# KiCad board Trackball.kicad_pcb
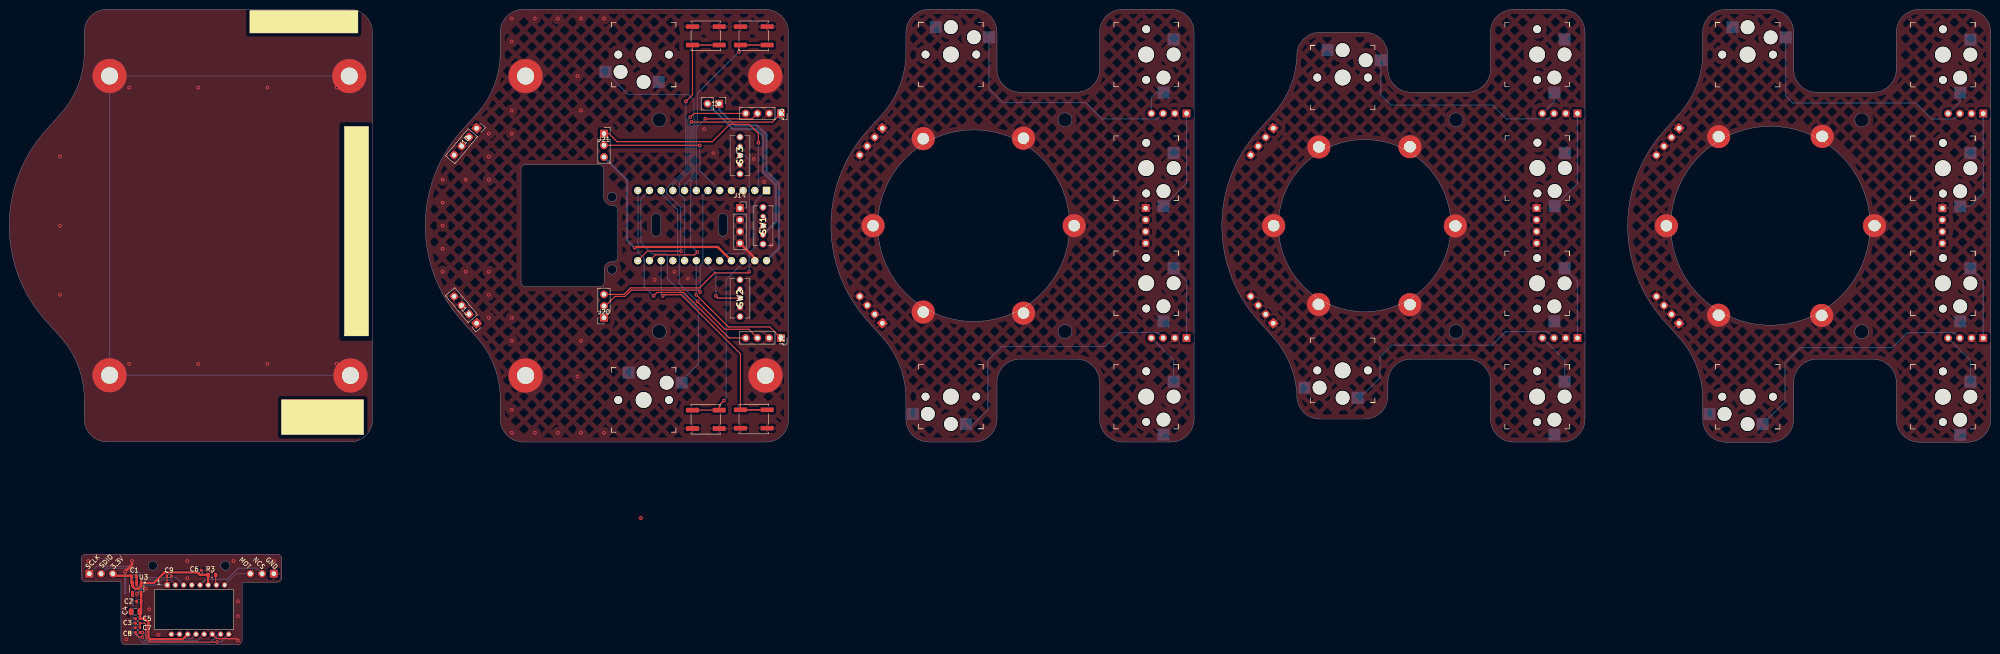
[diagram p0: board, top side]
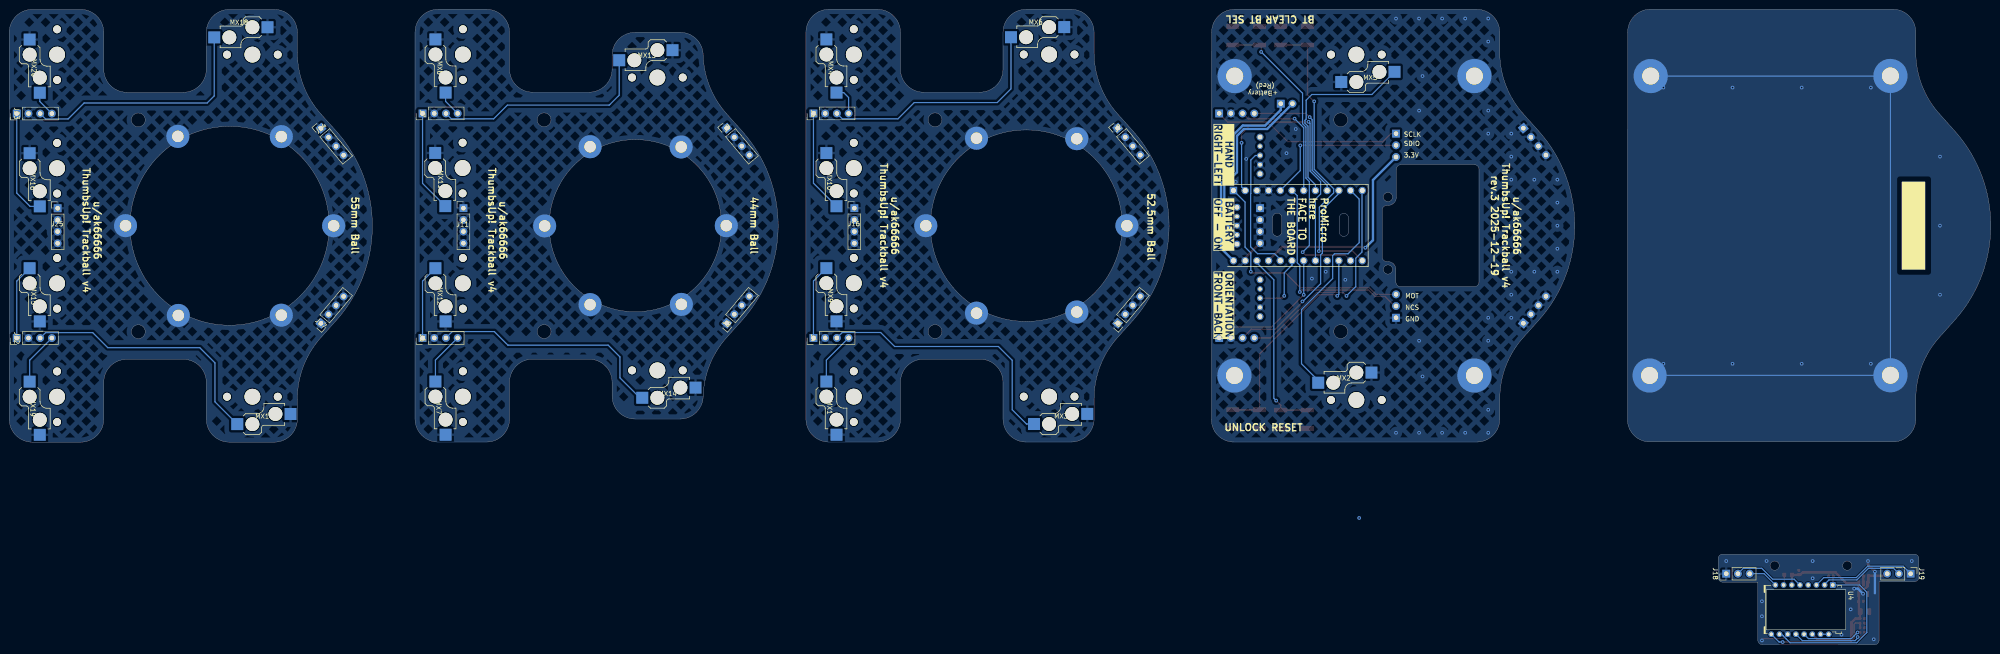
[diagram p1: board, bottom side, seen from below]

Outline 429.84 x 138.07 mm; copper layers: Top, Bottom. Coordinates in mm from the lower left corner of the outline.
Outline path: circle c31.14,17.2 r1 ; circle c46.89,17.2 r1 ; circle c130.77,97.28 r1 ; circle c130.77,81.53 r1 ; circle c141.02,114.05 r1.5 ; circle c141.02,68.05 r1.5 ; circle c209.22,91.05 r20.8 ; circle c229.02,114.05 r1.5 ; circle c229.02,68.05 r1.5 ; circle c294.02,91.05 r18.7 ; circle c313.82,114.05 r1.5 ; circle c313.82,68.05 r1.5 ; circle c382.04,91.02 r21.6 ; circle c401.84,114.02 r1.5 ; circle c401.84,68.02 r1.5 ; 73.77,138.07 21.27,138.07 arc(17.73,136.61) 16.27,133.07 16.27,128.72 arc(14.95,121.58) 11.17,115.38 7.77,111.57 arc(0,91.07) 7.77,70.57 11.17,66.77 arc(14.95,60.57) 16.27,53.43 16.27,49.07 arc(17.73,45.54) 21.27,44.07 73.77,44.07 arc(77.36,45.48) 78.82,49.05 78.77,133.08 arc(77.31,136.61) 73.77,138.07 ; 49.52,0 25.24,0 arc(24.53,0.29) 24.24,1 24.24,13.7 16.59,13.7 arc(15.89,13.99) 15.59,14.7 15.59,18.7 arc(15.89,19.4) 16.59,19.7 58.14,19.7 arc(58.84,19.4) 59.14,18.7 59.13,14.6 arc(58.84,13.9) 58.13,13.6 ; 49.53,0 arc(50.24,0.3) 50.53,1.01 50.54,13.6 58.13,13.6 ; 164.02,138.05 111.52,138.05 arc(107.98,136.58) 106.52,133.05 106.52,128.69 arc(105.2,121.55) 101.42,115.35 98.02,111.55 arc(90.25,91.05) 98.02,70.55 101.42,66.74 arc(105.2,60.54) 106.52,53.41 106.52,49.05 arc(107.98,45.51) 111.52,44.05 164.02,44.05 arc(167.61,45.45) 169.06,49.02 169.02,133.05 arc(167.55,136.58) 164.02,138.05 ; 358.84,70.52 arc(351.07,91.02) 358.84,111.52 ; 358.84,111.52 362.25,115.33 arc(366.02,121.53) 367.34,128.66 367.34,133.02 arc(368.81,136.56) 372.34,138.02 382.09,138.02 arc(385.63,136.56) 387.09,133.02 387.09,125.02 arc(388.56,121.49) 392.09,120.02 404.34,120.02 arc(407.88,121.49) 409.34,125.02 409.34,133.02 arc(410.81,136.56) 414.34,138.02 424.84,138.02 arc(428.38,136.56) 429.84,133.02 429.84,49.02 arc(428.38,45.49) 424.84,44.02 414.34,44.02 arc(410.81,45.49) 409.34,49.02 409.34,57.02 arc(407.88,60.56) 404.34,62.02 392.09,62.02 arc(388.56,60.56) 387.09,57.02 387.09,49.02 arc(385.63,45.49) 382.09,44.02 372.34,44.02 arc(368.81,45.49) 367.34,49.02 367.34,53.38 arc(366.02,60.52) 362.25,66.72 358.84,70.52 ; 111.02,103.3 arc(111.31,104) 112.02,104.3 127.94,104.3 arc(128.64,104) 128.94,103.3 128.94,97.25 arc(129.48,95.97) 130.77,95.45 131.02,95.45 arc(131.72,95.15) 132.02,94.45 132.02,84.25 arc(131.72,83.54) 131.02,83.25 130.77,83.25 arc(129.56,82.75) 129.05,81.55 129.05,78.8 arc(128.75,78.09) 128.05,77.8 112.02,77.8 arc(111.31,78.09) 111.02,78.8 111.02,103.3 ; 139.34,92.72 arc(139.63,93.43) 140.34,93.72 arc(141.05,93.43) 141.34,92.72 141.34,89.72 arc(141.05,89.02) 140.34,88.72 arc(139.63,89.02) 139.34,89.72 139.34,92.72 ; 153.8,92.77 arc(154.09,93.47) 154.8,93.77 arc(155.5,93.47) 155.8,92.77 155.8,89.77 arc(155.5,89.06) 154.8,88.77 arc(154.09,89.06) 153.8,89.77 153.8,92.77 ; 186.02,70.55 arc(178.25,91.05) 186.02,111.55 189.42,115.35 arc(193.2,121.55) 194.52,128.69 194.52,133.05 arc(195.98,136.58) 199.52,138.05 209.27,138.05 arc(212.8,136.58) 214.27,133.05 214.27,125.05 arc(215.73,121.51) 219.27,120.05 231.52,120.05 arc(235.05,121.51) 236.52,125.05 236.52,133.05 arc(237.98,136.58) 241.52,138.05 252.02,138.05 arc(255.55,136.58) 257.02,133.05 257.02,49.05 arc(255.55,45.51) 252.02,44.05 241.52,44.05 arc(237.98,45.51) 236.52,49.05 236.52,57.05 arc(235.05,60.58) 231.52,62.05 219.27,62.05 arc(215.73,60.58) 214.27,57.05 214.27,49.05 arc(212.8,45.51) 209.27,44.05 199.52,44.05 arc(195.98,45.51) 194.52,49.05 194.52,53.41 arc(193.2,60.54) 189.42,66.74 186.02,70.55 ; 270.82,70.55 arc(263.05,91.05) 270.82,111.55 274.22,115.35 arc(277.88,121.25) 279.32,128.05 arc(280.78,131.58) 284.32,133.05 294.07,133.05 arc(297.6,131.58) 299.07,128.05 299.07,125.05 arc(300.53,121.51) 304.07,120.05 316.32,120.05 arc(319.85,121.51) 321.32,125.05 321.32,133.05 arc(322.78,136.58) 326.32,138.05 336.82,138.05 arc(340.35,136.58) 341.82,133.05 341.82,49.05 arc(340.35,45.51) 336.82,44.05 326.32,44.05 arc(322.78,45.51) 321.32,49.05 321.32,57.05 arc(319.85,60.58) 316.32,62.05 304.07,62.05 arc(300.53,60.58) 299.07,57.05 299.07,54.05 arc(297.6,50.51) 294.07,49.05 284.32,49.05 arc(280.78,50.51) 279.32,54.05 arc(277.88,60.84) 274.22,66.74 270.82,70.55

## Placement (name value [footprint] x y rotation side)
BT_RESET1  SW_Push_Dual  [SW_Push_1P1T_NO_CK_KSC6xxJ]  151.12 132.3 180 top
BT_SELECT1  SW_Push_Dual  [SW_Push_1P1T_NO_CK_KSC6xxJ]  161.52 132.3 180 top
C1  0.1u  [C_0402_1005Metric]  27.02 15 0 top
C2  1u  [C_0402_1005Metric]  28.14 9.45 180 top
C3  10uF  [C_0402_1005Metric]  27.87 4.7 180 top
C4  3.3uF/16V  [C_0805_2012Metric]  27.39 7.2 180 top
C5  100nF  [C_0402_1005Metric]  27.87 5.7 180 top
C6  100nF  [C_0402_1005Metric]  41.64 15.68 90 top
C7  10nF  [C_0402_1005Metric]  27.87 3.7 180 top
C8  100nF  [C_0402_1005Metric]  27.87 2.7 0 top
C9  10nF  [C_0402_1005Metric]  34.66 14.95 0 top
H1  MountingHole_Pad  [MountingHole_2.5mm_Pad]  187.39 91.05 0 top
H2  MountingHole_Pad  [MountingHole_3.7mm_Pad]  74.02 58.5 0 top
H3  MountingHole_Pad  [MountingHole_2.5mm_Pad]  231.02 91.05 0 top
H4  MountingHole_Pad  [MountingHole_2.5mm_Pad]  220.02 110.05 0 top
H5  MountingHole_Pad  [MountingHole_2.5mm_Pad]  220.02 72.05 0 top
H6  MountingHole_Pad  [MountingHole_2.5mm_Pad]  198.27 109.95 0 top
H7  MountingHole_Pad  [MountingHole_2.5mm_Pad]  198.27 72.3 0 top
H8  MountingHole_Pad  [MountingHole_3.7mm_Pad]  73.77 123.55 0 top
H9  MountingHole_Pad  [MountingHole_3.7mm_Pad]  21.77 58.55 0 top
H10  MountingHole_Pad  [MountingHole_2.5mm_Pad]  404.62 91.05 0 top
H11  MountingHole_Pad  [MountingHole_3.7mm_Pad]  21.77 123.57 0 top
H12  MountingHole_Pad  [MountingHole_3.7mm_Pad]  164.06 58.5 0 top
H13  MountingHole_Pad  [MountingHole_3.7mm_Pad]  164.02 123.55 0 top
H14  MountingHole_Pad  [MountingHole_3.7mm_Pad]  112.02 58.5 0 top
H15  MountingHole_Pad  [MountingHole_2.5mm_Pad]  370.82 71.6 0 top
H16  MountingHole_Pad  [MountingHole_3.7mm_Pad]  112.02 123.55 0 top
H17  MountingHole_Pad  [MountingHole_2.5mm_Pad]  284.09 108.15 0 top
H18  MountingHole_Pad  [MountingHole_2.5mm_Pad]  303.84 108.2 0 top
H19  MountingHole_Pad  [MountingHole_2.5mm_Pad]  313.69 91 0 top
H20  MountingHole_Pad  [MountingHole_2.5mm_Pad]  303.84 73.9 0 top
H21  MountingHole_Pad  [MountingHole_2.5mm_Pad]  284.04 73.95 0 top
H22  MountingHole_Pad  [MountingHole_2.5mm_Pad]  274.29 91.05 0 top
H23  MountingHole_Pad  [MountingHole_2.5mm_Pad]  393.27 110.45 0 top
H24  MountingHole_Pad  [MountingHole_2.5mm_Pad]  393.17 71.55 0 top
H25  MountingHole_Pad  [MountingHole_2.5mm_Pad]  370.82 110.4 0 top
H26  MountingHole_Pad  [MountingHole_2.5mm_Pad]  359.47 91.03 0 top
J1  Battery  [PinHeader_1x02_P2.54mm_Vertical]  154.02 117.55 270 top
J2  Conn_01x04_Male  [PinHeader_1x04_P2.54mm_Vertical]  189.39 112.22 140 bottom
J3  Conn_01x04_Male  [PinHeader_1x04_P2.54mm_Vertical]  189.39 69.86 40 bottom
J4  Conn_01x04_Male  [PinHeader_1x04_P2.54mm_Vertical]  255.38 66.66 90 bottom
J5  Conn_01x04_Male  [PinHeader_1x04_P2.54mm_Vertical]  255.38 115.43 90 bottom
J6  Conn_01x04_Male  [PinHeader_1x04_P2.54mm_Vertical]  340.18 66.66 90 bottom
J7  Conn_01x04_Male  [PinHeader_1x04_P2.54mm_Vertical]  340.18 115.43 90 bottom
J8  Conn_01x04_Male  [PinHeader_1x04_P2.54mm_Vertical]  274.19 69.86 40 bottom
J9  Conn_01x04_Male  [PinHeader_1x04_P2.54mm_Vertical]  274.19 112.22 140 bottom
J10  Conn_01x04_Female  [PinSocket_1x04_P2.54mm_Vertical]  101.4 112.23 320 top
J11  Conn_01x04_Male  [PinHeader_1x04_P2.54mm_Vertical]  331.32 94.86 180 bottom
J12  Conn_01x04_Female  [PinSocket_1x04_P2.54mm_Vertical]  167.38 66.66 270 top
J13  Conn_01x04_Female  [PinSocket_1x04_P2.54mm_Vertical]  101.39 69.86 220 top
J14  Conn_01x04_Female  [PinSocket_1x04_P2.54mm_Vertical]  158.52 94.85 0 top
J15  Conn_01x04_Female  [PinSocket_1x04_P2.54mm_Vertical]  167.38 115.43 270 top
J16  Conn_01x04_Male  [PinHeader_1x04_P2.54mm_Vertical]  246.52 94.86 180 bottom
J17  Conn_01x04_Male  [PinHeader_1x04_P2.54mm_Vertical]  362.22 69.84 40 bottom
J18  Conn_01x03_Pin  [PinHeader_1x03_P2.54mm_Vertical]  57.39 15.45 90 bottom
J19  Conn_01x03_Pin  [PinHeader_1x03_P2.54mm_Vertical]  17.39 15.45 270 bottom
J20  Conn_01x03_Socket  [PinSocket_1x03_P2.54mm_Vertical]  129.02 71.05 180 top
J21  Conn_01x03_Socket  [PinSocket_1x03_P2.54mm_Vertical]  129.02 111.05 0 top
J22  Conn_01x04_Male  [PinHeader_1x04_P2.54mm_Vertical]  428.21 66.64 90 bottom
J23  Conn_01x04_Male  [PinHeader_1x04_P2.54mm_Vertical]  428.21 115.41 90 bottom
J24  Conn_01x04_Male  [PinHeader_1x04_P2.54mm_Vertical]  362.22 112.2 140 bottom
J25  Conn_01x04_Male  [PinHeader_1x04_P2.54mm_Vertical]  419.34 94.83 180 bottom
MX1  MX-NoLED  [Kailh_socket_PG1350]  246.63 53.91 90 top
MX2  MX-NoLED  [Kailh_socket_PG1350]  137.62 53.18 180 top
MX3  MX-NoLED  [Kailh_socket_PG1350]  204.27 53.91 0 top
MX4  MX-NoLED  [Kailh_socket_PG1350]  246.63 128.23 90 top
MX5  MX-NoLED  [Kailh_socket_PG1350]  137.62 128.21 0 top
MX6  MX-NoLED  [Kailh_socket_PG1350]  204.27 128.23 180 top
MX7  MX-NoLED  [Kailh_socket_PG1350]  331.43 53.91 90 top
MX8  MX-NoLED  [Kailh_socket_PG1350]  331.43 128.23 90 top
MX9  MX-NoLED  [Kailh_socket_PG1350]  246.63 78.55 90 top
MX10  MX-NoLED  [Kailh_socket_PG1350]  246.63 103.55 90 top
MX11  MX-NoLED  [Kailh_socket_PG1350]  331.49 103.57 90 top
MX12  MX-NoLED  [Kailh_socket_PG1350]  331.43 78.52 90 top
MX13  MX-NoLED  [Kailh_socket_PG1350]  289.24 123.23 180 top
MX14  MX-NoLED  [Kailh_socket_PG1350]  289.24 59.61 0 top
MX15  MX-NoLED  [Kailh_socket_PG1350]  419.46 78.52 90 top
MX16  MX-NoLED  [Kailh_socket_PG1350]  419.46 103.52 90 top
MX17  MX-NoLED  [Kailh_socket_PG1350]  377.09 53.89 0 top
MX18  MX-NoLED  [Kailh_socket_PG1350]  377.09 128.21 180 top
MX19  MX-NoLED  [Kailh_socket_PG1350]  419.46 53.89 90 top
MX20  MX-NoLED  [Kailh_socket_PG1350]  419.46 128.21 90 top
R3  10k  [R_0603_1608Metric]  43.96 15.2 0 top
RESET1  SW_Push_Dual  [SW_Push_1P1T_NO_CK_KSC6xxJ]  151.12 48.98 0 top
STUDIO_UNLOCK1  SW_Push_Dual  [SW_Push_1P1T_NO_CK_KSC6xxJ]  161.52 49.05 0 top
SW1  SW_SPDT  [18252321]  163.52 89.05 90 top
SW2  SW_SPDT  [18252321]  158.52 73.3 90 top
SW3  SW_SPDT  [18252321]  158.52 104.3 90 top
U1  -  [ProMicro]  150.31 91.07 180 top
U3  TCR2EF19  [SOT-23-5]  27.66 12.19 270 top
U4  PMW3610  [PMW3610DM-SUDU 16Pin]  40.44 7.65 180 bottom

## Library data of the parts
BT_RESET1 BT_SELECT1 RESET1 STUDIO_UNLOCK1 = -: Description: Push button switch, generic, two pins
C1 C2 = -: Description: Unpolarized capacitor, small symbol; ki_fp_filters: C_*
C3 = -: JLCPCB Part #: C15850; MFR. Part #: CL21A106KAYNNNE; ki_fp_filters: C_*
C4 = -: JLCPCB Part #: C7393948; MFR. Part #: TCC0805X7R335K250FT; ki_fp_filters: C_*
C5 C6 C8 = -: JLCPCB Part #: C14663; MFR. Part #: CC0603KRX7R9BB104; ki_fp_filters: C_*
C7 C9 = -: JLCPCB Part #: C57112; MFR. Part #: 0603B103K500NT; ki_fp_filters: C_*
H1-H26 = -: Description: Mounting Hole with connection; ki_fp_filters: MountingHole*Pad*
J1 = -: Description: Generic connector, single row, 01x02, script generated; ki_fp_filters: Connector*:*_1x??_*
J2-J17 J22-J25 = -: ki_fp_filters: Connector*:*_1x??_*
J18-J21 = -: Description: Generic connector, single row, 01x03, script generated; ki_fp_filters: Connector*:*_1x??_*
R3 = -: JLCPCB Part #: C25804; MFR. Part #: 0603WAF1002T5E; ki_fp_filters: R_*
SW1-SW3 = -: Description: Switch, single pole double throw
U3 = -: Datasheet: http://www.ti.com/lit/ds/symlink/tlv702.pdf; Description: 300mA Low Dropout Voltage Regulator, Fixed Output 1.8V, SOT-23-5; ki_fp_filters: SOT?23*
U4 = -: JLCPCB Part #: C42442560; MFR. Part #: PMW3610DM-SUDU

## Footprints (pads in the part's own frame, mm; a bottom-side part is the same pattern mirrored in y, then rotated)
18252321
  round 1.3 hole 0.8: 1(0,0) 2(2,0)
  round 1.2 hole 0.75: 3(4,0)
  round 1.5 hole 1: MH1(-2,0) MH2(6,0)
C_0402_1005Metric
  rrect 0.56x0.62 smd: 1(-0.48,0) 2(0.48,0)
C_0805_2012Metric
  rrect 1x1.45 smd: 1(-0.95,0) 2(0.95,0)
Kailh_socket_PG1350
  round 1.702 hole 1.702 unplated: (-5.5,0) (5.5,0)
  round 3 hole 3 unplated: (-5,-3.75) (0,-5.95)
  round 3.429 hole 3.429 unplated: (0,0)
  rect 2.6x2.6 smd far side: 1(3.275,-5.95) 2(-8.275,-3.75)
MountingHole_2.5mm_Pad
  round 5 hole 2.5: 1(0,0)
MountingHole_3.7mm_Pad
  round 7.4 hole 3.7: 1(0,0)
PinHeader_1x02_P2.54mm_Vertical
  rect 1.7x1.7 hole 1: 1(0,0)
  round 1.7 hole 1: 2(0,-2.54)
PinHeader_1x03_P2.54mm_Vertical
  rect 1.7x1.7 hole 1: 1(0,0)
  round 1.7 hole 1: 2(0,-2.54) 3(0,-5.08)
PinHeader_1x04_P2.54mm_Vertical
  rect 1.7x1.7 hole 1: 1(0,0)
  round 1.7 hole 1: 2(0,-2.54) 3(0,-5.08) 4(0,-7.62)
PinSocket_1x03_P2.54mm_Vertical
  rect 1.7x1.7 hole 1: 1(0,0)
  round 1.7 hole 1: 2(0,-2.54) 3(0,-5.08)
PinSocket_1x04_P2.54mm_Vertical
  rect 1.7x1.7 hole 1: 1(0,0)
  round 1.7 hole 1: 2(0,-2.54) 3(0,-5.08) 4(0,-7.62)
PMW3610DM-SUDU 16Pin
  rrect 1.25x1.25 hole 0.75: 1(6.168,5.35)
  oval 1.25x1.25 hole 0.75: 2(4.388,5.35) 3(2.608,5.35) 4(0.828,5.35) 5(-0.952,5.35) 6(-2.732,5.35) 7(-4.512,5.35) 8(-6.292,5.35) 9(-7.182,-5.35) 10(-5.402,-5.35) 11(-3.622,-5.35) 12(-1.842,-5.35) 13(-0.062,-5.35) 14(1.718,-5.35) 15(3.498,-5.35) 16(5.278,-5.35)
ProMicro
  rect 1.6x1.6 hole 1.1: 1(-13.97,-7.62)
  round 1.6 hole 1.1: 2(-11.43,-7.62) 3(-8.89,-7.62) 4(-6.35,-7.62) 5(-3.81,-7.62) 6(-1.27,-7.62) 7(1.27,-7.62) 8(3.81,-7.62) 9(6.35,-7.62) 10(8.89,-7.62) 11(11.43,-7.62) 12(13.97,-7.62) 13(13.97,7.62) 14(11.43,7.62) 15(8.89,7.62) 16(6.35,7.62) 17(3.81,7.62) 18(1.27,7.62) 19(-1.27,7.62) 20(-3.81,7.62) 21(-6.35,7.62) 22(-8.89,7.62) 23(-11.43,7.62) 24(-13.97,7.62)
R_0603_1608Metric
  rrect 0.8x0.95 smd: 1(-0.825,0) 2(0.825,0)
SOT-23-5
  rrect 1.325x0.6 smd: 1(-1.137,0.95) 2(-1.137,0) 3(-1.137,-0.95) 4(1.137,-0.95) 5(1.137,0.95)
SW_Push_1P1T_NO_CK_KSC6xxJ
  rect 2.8x1 smd: 1(-2.9,2) 1(2.9,2) 2(-2.9,-2) 2(2.9,-2)

## Nets
+1V8: C2.1 C4.1 C5.1 U3.5 U4.14
+3.3VA: C1.1 C6.1 J19.3 R3.1 U3.1 U3.3 U4.6
+3V3: J21.3 U1.21
GND: BT_RESET1.2 BT_SELECT1.2 H12.1 H13.1 H14.1 H16.1 J10.1 J10.2 J10.3 J10.4 J12.2 J13.1 J13.2 J13.3 J13.4 J14.1 J14.2 J14.3 J14.4 J15.2 J20.1 MX2.1 MX5.1 RESET1.2 STUDIO_UNLOCK1.2 SW1.2 SW2.1 SW3.1 U1.3 U1.4 U1.23
GND_S: C1.2 C2.2 C3.2 C4.2 C5.2 C6.2 C7.2 C9.2 J18.1 U3.2 U4.11
GNDA: H1.1 H3.1 H4.1 H5.1 H6.1 H7.1 J2.1 J2.2 J2.3 J2.4 J3.1 J3.2 J3.3 J3.4 J4.2 J5.2 J16.1 J16.2 J16.3 J16.4 MX1.2 MX3.2 MX4.1 MX6.1 MX9.2 MX10.1
GNDB: H2.1 H8.1 H9.1 H11.1
GNDC: H17.1 H18.1 H19.1 H20.1 H21.1 H22.1 J6.2 J7.2 J8.1 J8.2 J8.3 J8.4 J9.1 J9.2 J9.3 J9.4 J11.1 J11.2 J11.3 J11.4 MX7.2 MX8.1 MX11.1 MX12.2 MX13.1 MX14.2
GNDE: H10.1 H15.1 H23.1 H24.1 H25.1 H26.1 J17.1 J17.2 J17.3 J17.4 J22.2 J23.2 J24.1 J24.2 J24.3 J24.4 J25.1 J25.2 J25.3 J25.4 MX15.2 MX16.1 MX17.2 MX18.1 MX19.2 MX20.1
BTReset: BT_RESET1.1 U1.13
BTSelect: BT_SELECT1.1 U1.14
Button1: J12.4 U1.12
Button2: MX2.2 U1.11
Button3: J12.3 U1.10
Button4: J15.4 U1.9
Button5: MX5.2 U1.8
Button6: J15.3 U1.7
Button7: J12.1 U1.18
Button8: J15.1 U1.17
Handiness: SW3.2 U1.20
MOTION: J20.3 U1.1
MOTION_S: J18.3 U4.8
NCS: J20.2 U1.6
NCS_S: J18.2 U4.5
Orientation: SW2.2 U1.19
RST: RESET1.1 U1.22
SCLK: J21.1 U1.2
SCLK_S: J19.1 U4.3
SDIO: J21.2 U1.5
SDIO_S: J19.2 U4.2
Unlock: STUDIO_UNLOCK1.1 U1.15
Net-(J1-Pin_1): J1.1 U1.24
Net-(J1-Pin_2): J1.2 SW1.1
Net-(J4-Pin_1): J4.1 MX9.1
Net-(J4-Pin_3): J4.3 MX3.1
Net-(J4-Pin_4): J4.4 MX1.1
Net-(J5-Pin_1): J5.1 MX10.2
Net-(J5-Pin_3): J5.3 MX6.2
Net-(J5-Pin_4): J5.4 MX4.2
Net-(J6-Pin_1): J6.1 MX12.1
Net-(J6-Pin_3): J6.3 MX14.1
Net-(J6-Pin_4): J6.4 MX7.1
Net-(J7-Pin_1): J7.1 MX11.2
Net-(J7-Pin_3): J7.3 MX13.2
Net-(J7-Pin_4): J7.4 MX8.2
Net-(J22-Pin_1): J22.1 MX15.1
Net-(J22-Pin_3): J22.3 MX17.1
Net-(J22-Pin_4): J22.4 MX19.1
Net-(J23-Pin_1): J23.1 MX16.2
Net-(J23-Pin_3): J23.3 MX18.2
Net-(J23-Pin_4): J23.4 MX20.2
Net-(U4-+VCSEL): C9.1 U4.1 U4.10
Net-(U4--VCSEL): U4.15 U4.16
Net-(U4-CN): C8.2 U4.13
Net-(U4-CP): C8.1 U4.12
Net-(U4-NRESET): R3.2 U4.7
Net-(U4-VCP): C3.1 C7.1 U4.9

Pads without a net: SW1 3 MH1 MH2; SW2 3 MH1 MH2; SW3 3 MH1 MH2; U1 16; U3 4; U4 4

## Via types
v1: diameter 0.8, hole 0.4, Top to Bottom, 89 vias

## Routing (per net, layer and track width the routed paths; a pad name or vN(x,y) marks a point on that pad's centre or on a via; arc(x,y) is an arc through that point)
+1V8: length 20.9
  Top w0.25: C2.1 28.61,9.46 28.84,9.23 ; 28.61,7.47 C4.1 28.62,7.48
  Top w0.5: 28.37,5.7 29.39,5.7 30.21,4.87 30.21,1.62 30.61,1.22 37.64,1.22 U4.14 ; C4.1 28.64,6.9 ; U3.5 28.61,7.47 ; 28.39,6.9 28.39,5.7
+3.3VA: length 28
  Top w0.25: J19.3 22.47,15.78 22.64,15.95
  Top w0.5: U4.6 43.14,13.03 R3.1 C6.1 41.33,15.2 40.8,15.72 33.66,15.72 31.39,13.45 28.73,13.45 28.61,13.32 28.61,12.73 28.09,12.21 27.26,12.21 26.71,12.76 26.71,13.32 26.54,13.49 C1.1 22.92,15 J19.3
+3V3: length 44.8
  Top w0.5: v1(135.67,86.25) 135.85,86.43 153.68,86.43 U1.21
  Bottom w0.5: v1(135.67,86.25) 134.02,87.9 134.02,100.97 J21.3
GND: length 5.1
  Top w0.5: U1.23 161.74,84.01 J14.4
  vias: v1(94.02,101.05) v1(94.02,96.05) v1(94.02,91.05) v1(94.02,86.05) v1(94.02,81.05) v1(99.02,101.05) v1(99.02,81.05) v1(104.02,111.05) v1(104.02,106.05) v1(104.02,101.05) v1(104.02,81.05) v1(104.02,76.05) v1(104.02,71.05) v1(109.02,136.05) v1(109.02,131.05) v1(109.02,116.05) v1(109.02,111.05) v1(109.02,71.05) v1(109.02,66.05) v1(109.02,51.05) v1(109.02,46.05) v1(114.02,136.05) v1(114.02,46.05) v1(119.02,136.05) v1(119.02,46.05) v1(123.27,123.55) v1(123.27,58.3) v1(124.02,136.05) v1(124.02,116.05) v1(124.02,66.05) v1(124.02,46.05) v1(129.02,136.05) v1(129.02,46.05) v1(140.02,79.3) v1(144.27,81.05) v1(147.27,79.55) v1(150.77,112.05) v1(152.77,106.8) v1(161.52,105.55) v1(163.77,100.55) v1(165.27,86.8)
GND_S: length 18.2
  Top w0.25: v1(49.64,0.95) 49.24,1.35 45.01,1.35 U4.11 44.21,2.3
  Top w0.5: 27.66,13.32 27.66,14.84 C1.2 ; 32.2,2.2 v1(32.39,2.2) ; v1(25.14,15.9) 26.64,17.4 v1(26.64,18.2)
  Bottom w0.5: v1(29.64,12.2) 28.83,12.2 v1(27.71,11.08) ; v1(25.14,15.9) 25.14,11.2
  vias: v1(17.14,18.2) v1(25.39,1.2) v1(30.39,7.7) v1(38.64,18.2) v1(38.64,14.45) v1(48.64,18.2) v1(49.64,9.45) v1(49.64,6.2) v1(57.39,18.2)
GNDB: length 169.3
  Bottom w0.25: H8.1 21.8,123.55 H11.1 21.77,123.57 H9.1 73.97,58.55 H2.1
  vias: v1(11.02,106.05) v1(11.02,91.05) v1(11.02,76.05) v1(26.02,121.05) v1(26.02,61.05) v1(41.02,121.05) v1(41.02,61.05) v1(56.02,121.05) v1(56.02,61.05) v1(71.02,121.05) v1(71.02,61.05)
(no net):
  vias: v1(137.02,27.55)
BTReset: length 64.5
  Top w0.25: v1(145.76,85.53) 138.42,85.53 U1.13 ; BT_RESET1.1 BT_RESET1.1 148.22,119.5 v1(146.77,118.05)
  Bottom w0.25: v1(145.76,85.53) 145.65,85.64 145.65,95.06 142.54,98.16 142.54,99.07 146.77,103.3 v1(146.77,118.05)
BTSelect: length 67
  Top w0.25: v1(158.27,128.8) 158.27,129.95 BT_SELECT1.1 BT_SELECT1.1 ; v1(149.27,85.3) 148.67,84.7 140.13,84.7 U1.14
  Bottom w0.25: v1(158.27,128.8) 149.29,119.82 149.29,113.21 148.57,112.48 148.57,101.39 147.82,100.64 147.82,86.75 v1(149.27,85.3)
Button1: length 48.7
  Top w0.25: J12.4 156.15,66.66 146.27,76.55 140.52,76.55 v1(139.77,75.8)
  Bottom w0.25: U1.12 136.4,98.63 136.4,85.33 137.75,83.97 137.75,77.81 v1(139.77,75.8)
Button2: length 50.9
  Bottom w0.25: MX2.2 145.89,57.42 149.52,61.05 149.52,72.81 142.77,79.56 142.77,84.55 142.37,84.95 139.42,84.95 137.02,87.35 137.02,96.83 U1.11
Button3: length 43.8
  Top w0.25: v1(149.31,74.6) 149.31,74.5 155.27,68.55 160.42,68.55 J12.3
  Bottom w0.25: v1(149.31,74.6) 149.22,74.6 145.37,78.44 145.37,84.69 144.99,85.08 144.99,94.48 141.42,98.05 U1.10
Button4: length 29.9
  Top w0.25: v1(147.75,114.63) 148.55,115.43 J15.4
  Bottom w0.25: v1(147.75,114.63) 147.22,114.1 147.22,103.11 143.96,99.85 U1.9
Button5: length 42.4
  Bottom w0.25: U1.8 146.5,99.96 148.12,101.58 148.12,112.67 148.77,113.32 148.77,113.93 148.52,114.18 148.52,118.3 147.27,119.55 134.26,119.55 MX5.2
Button6: length 28.2
  Top w0.25: v1(151.02,114.3) 151.06,114.26 161.13,114.26 J15.3
  Bottom w0.25: v1(151.02,114.3) 149.04,112.32 U1.7
Button7: length 29.6
  Top w0.25: J12.1 165,69.05 156.02,69.05 v1(149.04,76.03)
  Bottom w0.25: U1.18 v1(149.04,76.03)
Button8: length 51.9
  Top w0.25: J15.1 165.5,113.55 148.05,113.55 v1(147.99,113.61)
  Bottom w0.25: v1(147.99,113.61) 147.67,113.29 147.67,102.93 145.37,100.63 145.37,97.92 146.5,96.8 U1.17
Handiness: length 29.2
  Bottom w0.25: SW3.2 159.52,106.3 160.52,105.3 160.52,98.05 160.56,98.01 160.56,86.47 159.05,84.96 155.35,84.96 154.02,83.63 154.02,83.55 U1.20
MOTION: length 52.8
  Top w0.25: v1(160.52,81.05) 160.27,80.8 153.02,80.8 149.77,77.55 134.77,77.55 133.35,76.13 J20.3
  Bottom w0.25: 160.61,81.14 v1(160.52,81.05) ; 160.52,81.14 160.52,85.14 161.77,86.39 161.77,96.18 U1.1
MOTION_S: length 6.6
  Bottom w0.25: J18.3 49.18,15.45 U4.8
NCS: length 45.3
  Top w0.25: 129.02,73.3 131.4,75.68 133.53,75.68 134.9,77.05 149.48,77.05 v1(149.89,76.64)
  Bottom w0.25: v1(149.89,76.64) 149.89,82.42 150.45,82.98 150.45,97.56 U1.6
NCS_S: length 15.4
  Bottom w0.25: U4.5 42.64,14.25 47.29,14.25 49.66,16.62 53.67,16.62 J18.2
Orientation: length 13.8
  Top w0.25: SW2.2 153.77,75.3 v1(153.27,75.8)
  Bottom w0.25: U1.19 151.58,82.49 153.27,80.8 v1(153.27,75.8)
RST: length 41.4
  Top w0.25: 155.02,50.98 RESET1.1 ; RESET1.1 RESET1.1 ; RESET1.1 154.02,52.05 v1(155.02,53.05)
  Bottom w0.25: U1.22 159.2,82.98 155.52,79.3 155.52,53.55 v1(155.02,53.05)
SCLK: length 49.3
  Top w0.25: J21.1 130.12,111.05 131.88,109.28 152.5,109.28 156.27,113.05 160.52,113.05 162.52,111.05 v1(162.52,109.05)
  Bottom w0.25: U1.2 162.52,99.47 v1(162.52,109.05)
SCLK_S: length 22.8
  Bottom w0.25: U4.3 36.23,14.6 29.18,14.6 26.7,17.07 19.01,17.07 J19.1
SDIO: length 32.4
  Top w0.25: v1(149.79,108.48) 149.76,108.51 J21.2
  Bottom w0.25: v1(149.79,108.48) 149.79,103.01 U1.5
SDIO_S: length 18.2
  Bottom w0.25: J19.2 21.1,16.62 26.51,16.62 29.04,14.1 35.09,14.1 36.05,13.14 U4.2
Unlock: length 53.9
  Top w0.25: 164.52,51.05 STUDIO_UNLOCK1.1 ; STUDIO_UNLOCK1.1 STUDIO_UNLOCK1.1 ; STUDIO_UNLOCK1.1 158.62,63.2 145.77,76.05 142.02,76.05 v1(141.77,75.8)
  Bottom w0.25: v1(141.77,75.8) 141.42,76.15 U1.15
Net-(J1-Pin_1): length 43.4
  Bottom w0.5: U1.24 166.97,86.14 166.97,100.2 164.28,102.89 164.28,110.79 162.27,112.8 157.42,112.8 154.02,116.2 J1.1
Net-(J1-Pin_2): length 38.7
  Bottom w0.5: SW1.1 166.27,91.8 166.27,99.91 163.52,102.66 163.52,110.55 162.02,112.05 156.98,112.05 J1.2
Net-(J4-Pin_1): length 16.3
  Bottom w0.25: MX9.1 255.38,79.02 J4.1
Net-(J4-Pin_3): length 57.8
  Bottom w0.25: J4.3 249.13,67.84 240.81,67.84 237.77,64.8 215.27,64.8 212.27,61.8 212.27,51.05 209.18,47.96 MX3.1
Net-(J4-Pin_4): length 11.5
  Bottom w0.25: MX1.1 252.58,61.84 J4.4
Net-(J5-Pin_1): length 22.2
  Bottom w0.25: J5.1 255.38,100.27 MX10.2
Net-(J5-Pin_3): length 52.2
  Bottom w0.25: J5.3 249.13,114.26 237.06,114.26 233.52,117.8 215.52,117.8 212.54,120.77 MX6.2
Net-(J5-Pin_4): length 6.5
  Bottom w0.25: J5.4 247.76,118.9 248.83,119.96 MX4.2
Net-(J6-Pin_1): length 16.3
  Bottom w0.25: J6.1 340.18,79 MX12.1
Net-(J6-Pin_3): length 51.8
  Bottom w0.25: MX14.1 293.03,53.66 297.37,58 297.37,62.55 299.92,65.1 321.62,65.1 321.64,65.07 324.62,68.05 333.72,68.05 J6.3
Net-(J6-Pin_4): length 11.5
  Bottom w0.25: MX7.1 337.38,61.84 J6.4
Net-(J7-Pin_1): length 22.2
  Bottom w0.25: J7.1 340.18,100.24 MX11.2
Net-(J7-Pin_3): length 47.8
  Bottom w0.25: MX13.2 297.52,119.4 299.67,117.25 321.77,117.25 324.76,114.26 333.93,114.26 J7.3
Net-(J7-Pin_4): length 5.6
  Bottom w0.25: MX8.2 335.18,118.05 J7.4
Net-(J22-Pin_1): length 16.3
  Bottom w0.25: MX15.1 428.21,79 J22.1
Net-(J22-Pin_3): length 56.4
  Bottom w0.25: MX17.1 385.22,52.79 385.22,61.25 388.52,64.55 408.47,64.55 411.73,67.81 421.95,67.81 423.13,66.64
Net-(J22-Pin_4): length 11.5
  Bottom w0.25: J22.4 425.41,61.82 MX19.1
Net-(J23-Pin_1): length 23.5
  Bottom w0.25: J23.1 428.21,98.14 425.32,95.25 MX16.2
Net-(J23-Pin_3): length 53
  Bottom w0.25: 423.13,115.41 421.95,114.23 417.07,114.23 413.6,117.7 386.92,117.7 385.37,119.25 MX18.2
Net-(J23-Pin_4): length 5.6
  Bottom w0.25: MX20.2 423.21,118.03 J23.4
Net-(U4-+VCSEL): length 39.6
  Top w0.25: U4.1 34.24,13.03 34.24,15.15
  Bottom w0.25: U4.10 45.39,2.3 45.01,1.92 45.01,1.9 44.45,1.35 44.44,1.35 43.53,0.44 29.1,0.44 26.89,2.65 26.89,11.45 28.44,13 U4.1
Net-(U4--VCSEL): length 1.8
  Bottom w0.25: U4.16 U4.15
Net-(U4-CN): length 13
  Top w0.25: v1(28.9,2.69) 28.89,2.7 28.41,2.7
  Bottom w0.25: U4.13 39.55,1.35 30.24,1.35 29.61,1.98 29.61,1.99 29.18,2.41 29.17,2.41 v1(28.9,2.69)
Net-(U4-CP): length 16.5
  Top w0.25: v1(28.88,1.69) 28.12,1.69 27.39,2.42 C8.1
  Bottom w0.25: U4.12 40.88,0.9 29.44,0.9 28.9,1.44 28.9,1.7 v1(28.88,1.69)
Net-(U4-NRESET): length 2.3
  Top w0.25: R3.2 44.79,13.16 U4.7
Net-(U4-VCP): length 24.4
  Top w0.25: v1(45.14,0.6) 30.42,0.6 29.64,1.38 29.64,4.45 29.36,4.73 28.39,4.73 ; 28.35,3.73 28.35,4.71
  Bottom w0.25: v1(45.14,0.6) 45.92,0.6 U4.9

## Copper pours and planes (outline as drawn; the poured copper is in the pictures)
GND on Top, Bottom: 86.31,139.51 172.6,139.85 174.04,43.36 87.49,42.68
GND_S on Top, Bottom: 14.79,23.05 10.99,23.4 61.09,23.7 59.99,-3.45 11.49,-3.95 11.49,22.9
GNDA on Top, Bottom: 259.85,41.96 175.3,42.78 174.93,139.38 258.55,140.09
GNDB on Top, Bottom: -2.22,139.08 79.66,139.41 81.1,42.89 -1.04,42.25
GNDC on Top, Bottom: 345.03,39.1 262.11,39.91 261.73,140.54 343.68,141.24
GNDE on Top, Bottom: 432.67,41.93 348.12,42.76 347.76,139.35 431.37,140.06

## Text on the board
B.Mask: u/ak66666 / ThumbsUp! Trackball v4 / rev.3 2025-12-19
B.Silkscreen: MOT | NCS | GND | SCLK | SDIO | 3.3V | +Battery / (Red) | RESET | UNLOCK | ProMicro / here / FACE TO / THE BOARD | u/ak66666 / ThumbsUp! Trackball v4 / rev.3 2025-12-19 | HAND / RIGHT-LEFT | BATTERY / OFF - ON | ORIENTATION / FRONT-BACK | 52.5mm Ball | u/ak66666 / ThumbsUp! Trackball v4 | 44mm Ball | 55mm Ball | BT CLEAR | BT SEL
F.Mask: HAND / LEFT-RIGHT | RESET | ZMK / STUDIO / UNLOCK | BATTERY / ON - OFF | ORIENTATION / BACK-FRONT | BT CLEAR | BT SEL
F.Silkscreen: 1 | SCLK | SDIO | 3.3V | MOT | NCS | GND
